# Altium PCB m-BLANC.PcbDoc (part 2 of 15) (continued)
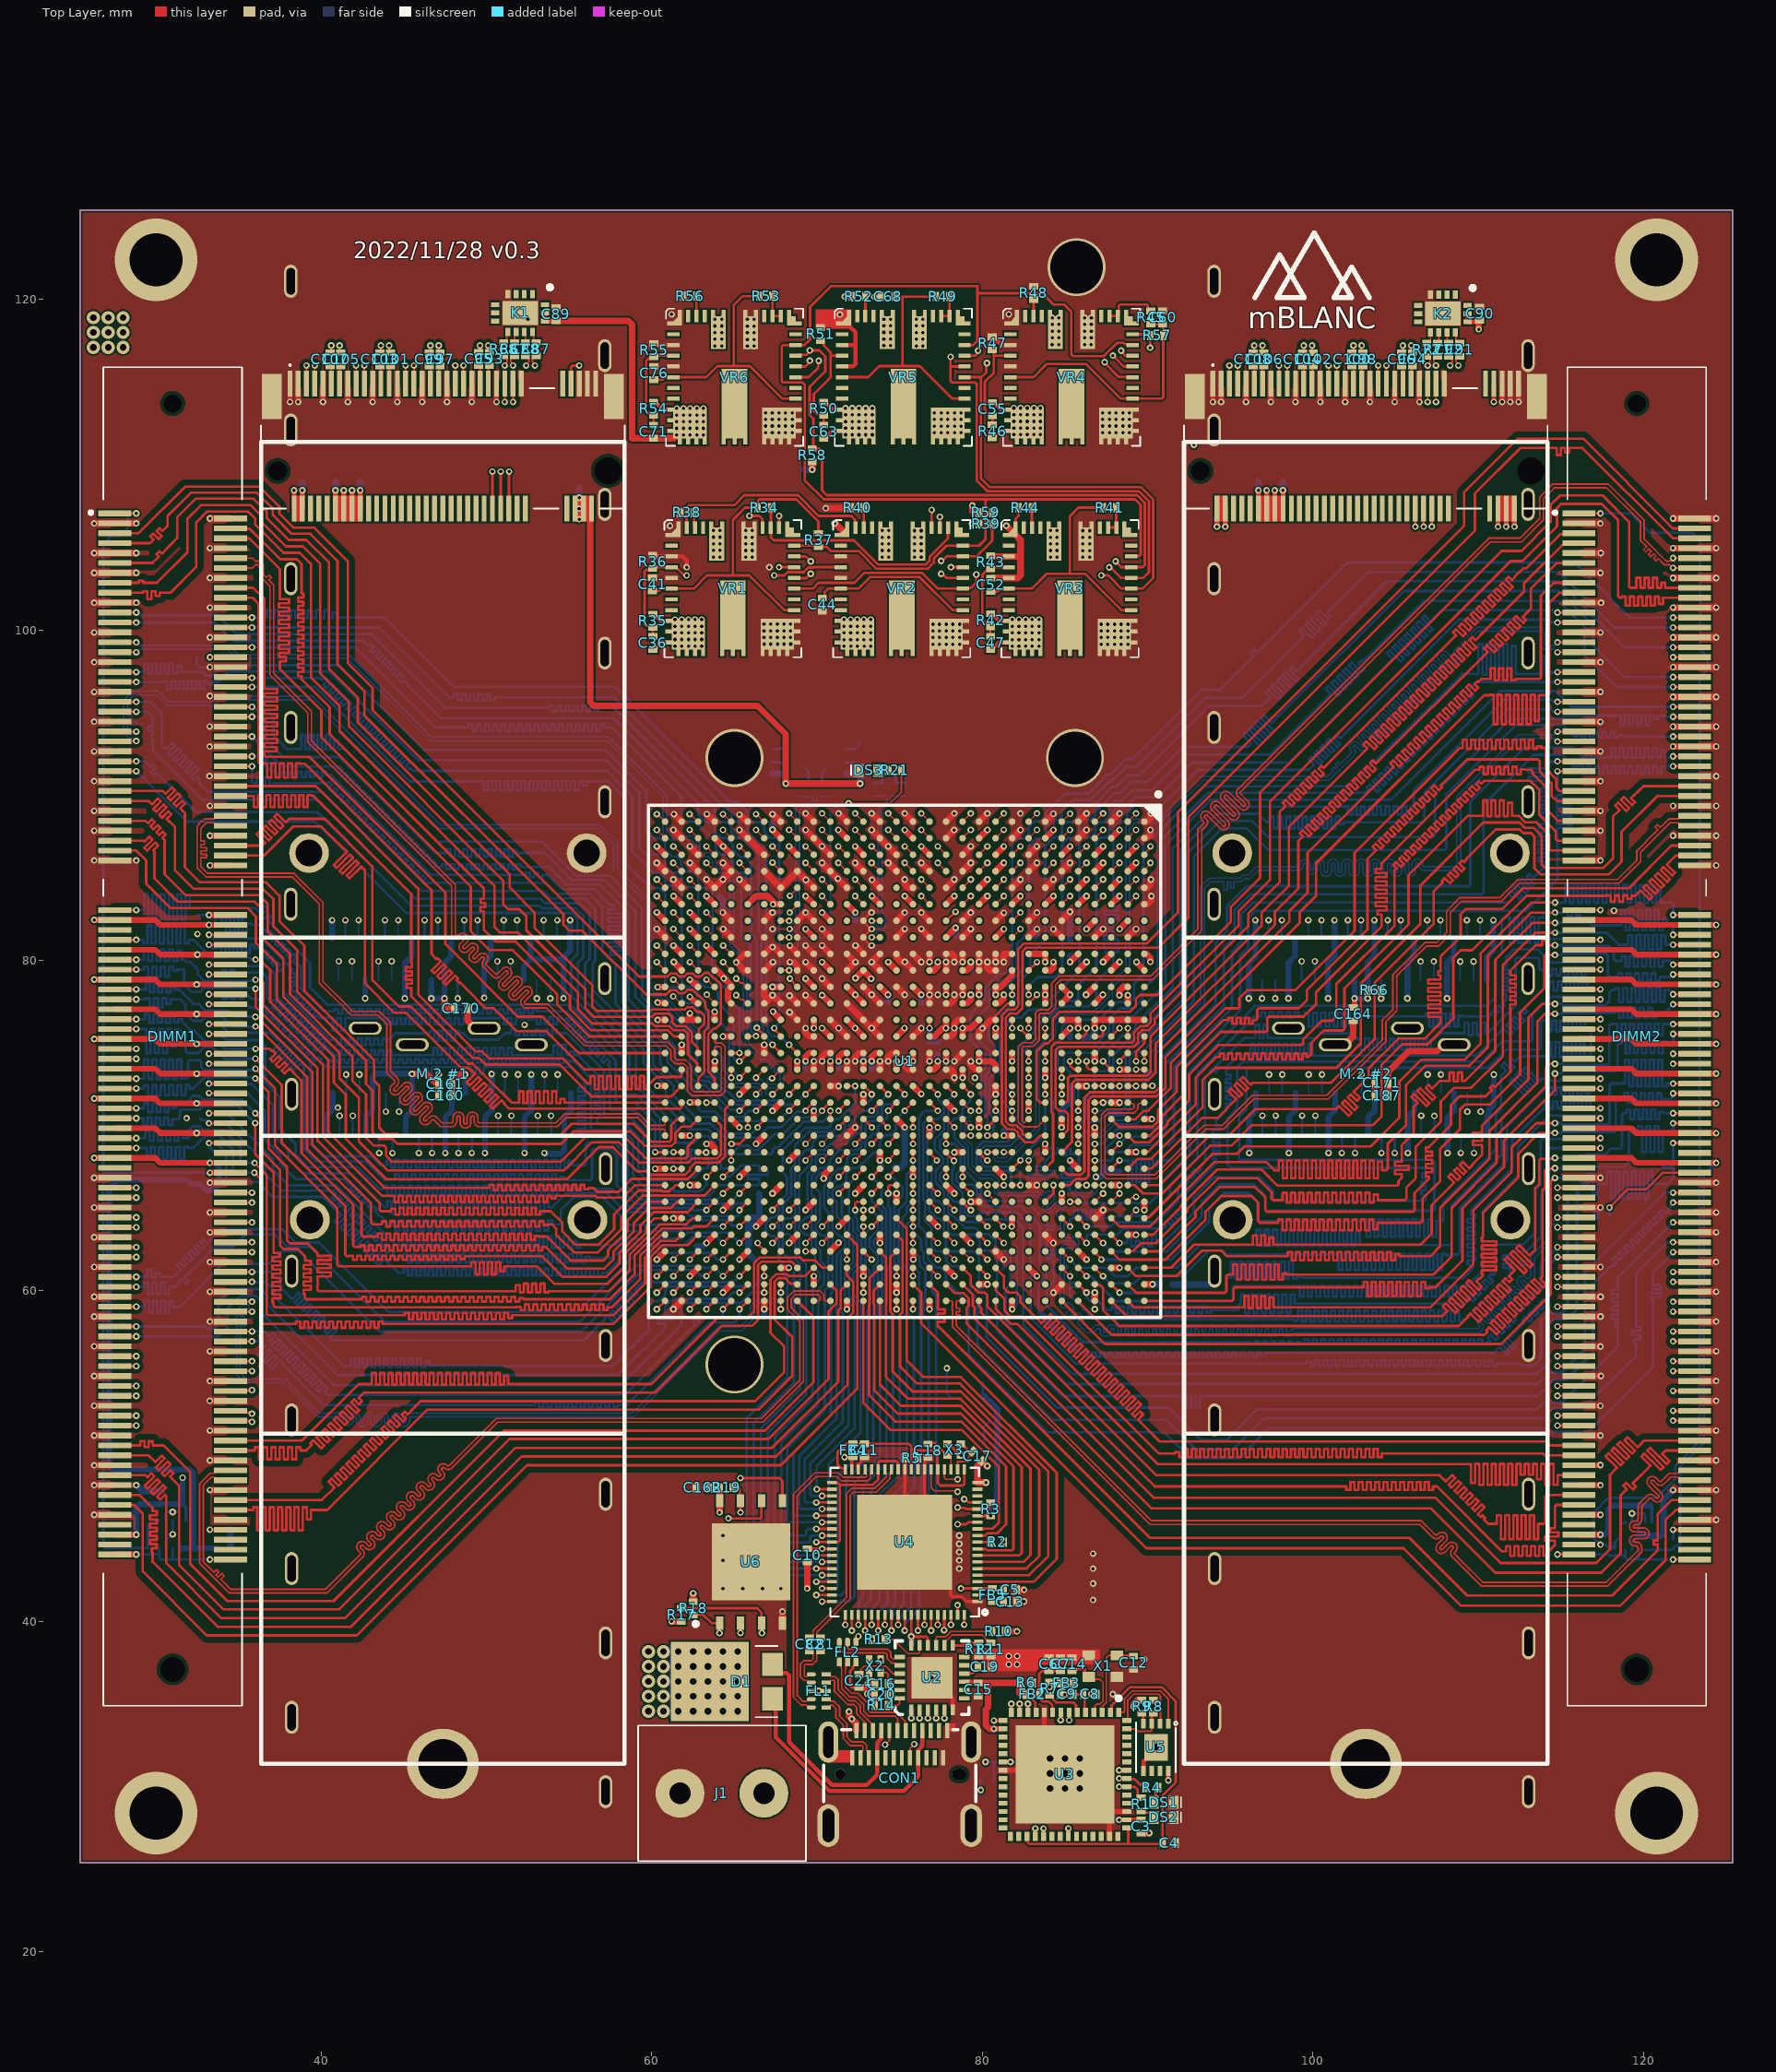
[diagram p0: Top Layer view]
## Footprints (in the part's own frame and the unit in brackets; to place one, negate y for a bottom-side part, rotate by r counter-clockwise, add the part's x,y. Pads: shape width x height; smd on the part's side, far side on the other; paste and mask are expansions set on the pad) (continued)
  rect 5.95x5.95 smd: 57(0,0)
  silkscreen extent -4.72,3.13 -4.48,3.38, body extent -4,-4 4,4, height 0.8
QFN-MJ24 [mm] "QFN, 24-Leads, Body 4x4mm, Pitch 0.5mm, Microchip Recommended"
  rect 0.65x0.265 smd: 1(-1.95,1.25) 2(-1.95,0.75) 3(-1.95,0.25) 4(-1.95,-0.25) 5(-1.95,-0.75) 6(-1.95,-1.25) 13(1.95,-1.25) 14(1.95,-0.75) 15(1.95,-0.25) 16(1.95,0.25) 17(1.95,0.75) 18(1.95,1.25)
  rect 0.265x0.65 smd: 7(-1.25,-1.95) 8(-0.75,-1.95) 9(-0.25,-1.95) 10(0.25,-1.95) 11(0.75,-1.95) 12(1.25,-1.95) 19(1.25,1.95) 20(0.75,1.95) 21(0.25,1.95) 22(-0.25,1.95) 23(-0.75,1.95) 24(-1.25,1.95)
  rect 2.5x2.5 smd paste-1.3: 25(0,0)
  silkscreen extent -2.22,-2.22 2.22,2.22, body extent -2.07,-2.07 2.07,2.07, height 0.9
SI2305TP [mm]
  rect 0.8x0.9 smd: 1(-0.95,-1) 2(0.95,-1) 3(0,1)
  silkscreen extent -1.46,-0.65 1.46,0.65
SMD0402 [mm]
  rect 0.4x0.55 smd: 1(-0.4,0) 2(0.4,0)
  body extent -0.5,-0.25 0.5,0.25, height 0.55
SON40P200X200X80-11N [mm] "BGA, 900-Balls, Body 31x31mm, Pitch 1mm"
  rrect25% 0.4x0.2 smd: 1(-0.85,0.8) 2(-0.85,0.4) 3(-0.85,0) 4(-0.85,-0.4) 5(-0.85,-0.8) 6(0.85,-0.8) 7(0.85,-0.4) 8(0.85,0) 9(0.85,0.4) 10(0.85,0.8)
  rect 0.9x1.5 smd paste-2: 11(0,0)
  silkscreen extent -1,-1.23 1,1.23, body extent -1,-1 1,1, height 0.8
SON50P135X260X55-10N-D [mm]
  rect 0.55x0.25 smd: 1(-0.45,1) 2(-0.45,0.5) 3(-0.45,0) 4(-0.45,-0.5) 5(-0.45,-1)
  oval 0.55x0.25 smd: 6(0.45,-1) 7(0.45,-0.5) 8(0.45,0) 9(0.45,0.5) 10(0.45,1)
  body extent -0.72,-1.3 0.72,1.3, height 0.55
SON50P150X170X55-6N-D [mm]
  rect 0.55x0.3 smd: 1(-0.6,0.5) 2(-0.6,0) 3(-0.6,-0.5)
  oval 0.55x0.3 smd: 4(0.6,-0.5) 5(0.6,0) 6(0.6,0.5)
  body extent -0.8,-0.85 0.8,0.85, height 0.55
SON127P800X600X80-9N-D [mm]
  rect 0.8x0.45 smd: 1(-3.7,1.905) 2(-3.7,0.635) 3(-3.7,-0.635) 4(-3.7,-1.905) 5(3.7,-1.905) 6(3.7,-0.635) 7(3.7,0.635) 8(3.7,1.905)
  rect 4.65x4.75 smd: 4(0,0)
  silkscreen extent -3.87,3.22 -3.63,3.47, body extent -4.05,-3 4.05,3, height 0.8
TB00650802BE [mm]
  round 2.95 hole 1.3: 1(0,0) 2(5.08,0)
  silkscreen extent -2.54,-4.1 7.62,4.1, body extent -2.54,-4.1 7.62,4.1, height 10.5
V10P20M386A [mm]
  rect 1.4x1.27 smd: 1(1.04,-2.765) 2(-1.04,-2.765)
  rect 4.8x4.72 smd: 3(0,1.04)
  silkscreen extent -2.15,-3.05 2.15,-1.75, body extent -2.15,-3.27 2.15,3.05, height 1.3

## Part data
C1 C2 C3 C4 C5 C6 C7 C8 C9 C10 C11 C12 C13 C14 C15 C16 C17 C18 C20 C21 C22 C23 C24 C25 C26 C27 C28 C29 C30 C31 C32 C33 C36 C41 C44 C47 C52 C55 C60 C63 C68 C71 C76 C81 C82 C83 C84 C85 C86 C87 C88 C89 C90 C91 C92 C93 C94 C95 C96 C97 C98 C99 C100 C101 C102 C103 C104 C105 C106 C107 C108 C109 C110 C111 C112 C113 C114 C115 C116 C117 C118 C119 C120 C121 C122 C123 C124 C125 C126 C127 C128 C129 C130 C131 C132 C133 C134 C135 C136 C137 C138 C139 C140 C141 C142 C143 C144 C145 C146 C147 C148 C149 C150 C151 C152 C153 C154 C156 C157 C158 C159 C160 C161 C162 C163 C164 C165 C166 C167 C168 C169 C170 C171 C172 C173 C174 C175 C176 C177 C178 C179 C180 C181 C183 C184 C185 C186 C187 C188 C189 C190 C191 C192 C193 C194 C195 C196 C197 C198 C199 C200: library part "CAP 0402", "Capacitor"
C19 C155 C182: library part "CAP 0201", "Capacitor"
C34 C35 C37 C38 C39 C40 C42 C43 C45 C46 C48 C49 C50 C51 C53 C54 C56 C57 C58 C59 C61 C62 C64 C65 C66 C67 C69 C70 C72 C73 C74 C75 C77 C78 C79 C80: library part "CAP 3225", "Capacitor", Arrow Part Number=JMK325ABJ107MM-P, Manufacturer_Name="TAIYO YUDEN", Mouser Part Number=963-JMK325ABJ107MM-P, Arrow Price/Stock=https://www.arrow.com/en/products/jmk325abj107mm-p/taiyo-yuden, Datasheet Link=https://ms.componentsearchengine.com/Datasheets/1/JMK325ABJ107MM-P.pdf, Height=2.8mm, Manufacturer_Part_Number=JMK325ABJ107MM-P, Mouser Price/Stock=https://www.mouser.co.uk/ProductDetail/Taiyo-Yuden/JMK325ABJ107MM-P?qs=EPmvyOv1YlN%2FKJt%252BEENTYA%3D%3D
CON1: library part USB-3.0-TYPE-C-3.0, "Micro USB Receptacle, Type C, Hybrid Type, PCB Top Mount"
D1: "Schottky Diode", Manufacturer_Name=Vishay, Manufacturer_Part_Number=V10P20-M3/86A, Mouser Part Number=78-V10P20-M3/86A, Datasheet Link=https://componentsearchengine.com/Datasheets/1/V10P20-M3_86A.pdf, Height=1.2mm, Mouser Price/Stock=http://www.mouser.com/Search/ProductDetail.aspx?qs=ZB8tH5z5N7ZN%2fq6ksuxZBw%3d%3d
D2: library part SK106-TP, "Diode", Manufacturer_Name="Micro Commercial Components (MCC)", Mouser Part Number=833-SK106-TP, Arrow Part Number=SK106-TP, Arrow Price/Stock=https://www.arrow.com/en/products/sk106-tp/micro-commercial-components, Datasheet Link=http://www.mccsemi.com/up_pdf/SK102-SK1010(HSMC).PDF, Height=5.43mm, Manufacturer_Part_Number=SK106-TP, Mouser Price/Stock=https://www.mouser.co.uk/ProductDetail/Micro-Commercial-Components-MCC/SK106-TP?qs=SdqRYZZ9IxAPDINIgRyYqg%3D%3D
DIMM1 DIMM2: library part DIMM-204P, "Kyocera 296409204003856+"
DS1 DS2 DS3: "LED 0603 SMD"
FB1 FB2 FB3 FB4 FB5: library part "FERRITE 0402", "Ferrite Bead"
FL1: "Filter", Manufacturer_Name=STMicroelectronics, Mouser Part Number=511-ECMF04-4HSWM10, Arrow Part Number=ECMF04-4HSWM10, Arrow Price/Stock=https://www.arrow.com/en/products/ecmf04-4hswm10/stmicroelectronics, Datasheet Link=https://www.st.com/resource/en/datasheet/ecmf04-4hswm10.pdf, Height=0.55mm, Manufacturer_Part_Number=ECMF04-4HSWM10, Mouser Price/Stock=https://www.mouser.co.uk/ProductDetail/STMicroelectronics/ECMF04-4HSWM10?qs=9MuLHSklicqPUQRNi%252Bx1Sg%3D%3D
FL2: "Integrated Circuit", Manufacturer_Name=STMicroelectronics, Mouser Part Number=511-ECMF02-2AMX6, Arrow Part Number=ECMF02-2AMX6, Arrow Price/Stock=https://www.arrow.com/en/products/ecmf02-2amx6/stmicroelectronics, Datasheet Link=http://www.st.com/content/ccc/resource/technical/document/datasheet/3a/28/cf/d0/31/63/48/8c/CD00282307.pdf/files/CD00282307.pdf/jcr:content/translations/en.CD00282307.pdf, Height=0.55mm, Manufacturer_Part_Number=ECMF02-2AMX6, Mouser Price/Stock=https://www.mouser.co.uk/ProductDetail/STMicroelectronics/ECMF02-2AMX6?qs=raAh8RbVwI65u5gmT42%2Flg%3D%3D
J1: library part TB006-508-02BE, "Connector", Manufacturer_Name="CUI Devices", Mouser Part Number=490-TB006-508-02BE, Arrow Part Number=TB006-508-02BE, Arrow Price/Stock=https://www.arrow.com/en/products/tb006-508-02be/cui-devices, Datasheet Link=https://www.mouser.com/datasheet/2/670/tb006-508-1550645.pdf, Height=10.4mm, Manufacturer_Part_Number=TB006-508-02BE, Mouser Price/Stock=https://www.mouser.co.uk/ProductDetail/CUI-Devices/TB006-508-02BE/?qs=vLWxofP3U2wEdOVV%2FaT04w%3D%3D
K1 K2: "Integrated Circuit", Manufacturer_Name=Microchip, Mouser Part Number=998-DSC557-0344FI0, Arrow Part Number=DSC557-0344FI0, Arrow Price/Stock=https://www.arrow.com/en/products/dsc557-0344fi0/microchip-technology, Datasheet Link=http://ww1.microchip.com/downloads/en/devicedoc/dsc557-03%20datasheet%20mkqbpd12091701-2.pdf, Height=0.9mm, Manufacturer_Part_Number=DSC557-0344FI0, Mouser Price/Stock=https://www.mouser.com/Search/Refine.aspx?Keyword=998-DSC557-0344FI0
"M.2 #1" "M.2 #2": "M.2 Key M Socket 3", Manufacturer_Name=Amphenol, Manufacturer_Part_Number=MDT275M02001, Datasheet Link=https://www.mouser.com/datasheet/2/18/Amphenol_CMDTXXXXXX001-4-1157232.pdf, Height=2.75mm
Q1: "MOSFET (N-Channel)", Manufacturer_Name="Micro Commercial Components (MCC)", Mouser Part Number=833-SI2324A-TP, Arrow Part Number=SI2324A-TP, Arrow Price/Stock=https://www.arrow.com/en/products/si2324a-tp/micro-commercial-components, Datasheet Link=https://www.mccsemi.com/pdf/Products/SI2324A(SOT-23)-A.pdf, Manufacturer_Part_Number=SI2324A-TP, Mouser Price/Stock=https://www.mouser.com/Search/Refine.aspx?Keyword=833-SI2324A-TP
"QSFP+ #1" "QSFP+ #2" "QSFP+ #3" "QSFP+ #4": "Connector", Manufacturer_Name="TE Connectivity", Mouser Part Number=571-1888617-1, Arrow Part Number=1888617-1, Arrow Price/Stock=https://www.arrow.com/en/products/1888617-1/te-connectivity, Datasheet Link=https://www.mouser.com/datasheet/2/418/NG_CS_1773408-1_Pluggable_IXO_Solutions_-_QSFP_061-1244175.pdf, Height=9.7mm, Manufacturer_Part_Number=1888617-1, Mouser Price/Stock=https://www.mouser.com/Search/Refine.aspx?Keyword=571-1888617-1
R1 R2 R3 R4 R5 R6 R7 R8 R9 R10 R11 R12 R13 R14 R15 R16 R17 R18 R19 R20 R21 R22 R23 R24 R25 R26 R27 R28 R29 R30 R31 R32 R33 R35 R36 R37 R38 R39 R40 R41 R42 R43 R44 R45 R46 R47 R48 R49 R50 R51 R52 R53 R54 R55 R56 R57 R58 R59 R60 R61 R62 R63 R64 R65 R66 R67 R68 R69 R70 R71 R72 R73 R74 R75 R76 R77: library part "RES 0402", "Resistor"
R34: library part "RES 0201", "Resistor", Height=0.28mm
U1: "Kintex-7 FPGA, 400 User I/Os, 28 GTX, 900-Ball BGA, Speed Grade 1, Commercial Grade, Pb-Free", Generic Part Number=XC7K420T, Manufacturer=Xilinx, Code_JEDEC=MS-034-AAN-1, ComponentLink1Description=Datasheet, ComponentLink1URL=http://www.xilinx.com/support/documentation/data_sheets/ds180_7Series_Overview.pdf, ComponentLink2Description="Package Specification", ComponentLink2URL=http://www.xilinx.com/support/documentation/user_guides/ug475_7Series_Pkg_Pinout.pdf, DatasheetVersion=v1.12, GTX=28, Mounting Technology="Surface Mount", PackageDescription="Flip-Chip BGA, Body 31 x 31 mm, 1.0 mm Pitch", PackageReference=FFG901, PackageVersion="Rev 1.8", PartNumber=XC7K420T-1FFG901C, RoHS=Pb-Free, SelectIO HP=0, SelectIO HR=380, Speed Grade=-1
U2: "Microchip Technology USB2422/MJ, USB Controller, USB 2.0, 3.3 V, 24-Pin SQFN", Operating Temperature="0.00 °C (min)", Packaging=Tray
U3: "Integrated Circuit"
U4: "USB Bridge, USB to FIFO USB 3.0 FIFO Interface 76-QFN _9x9_", Package="QFN-76 FTDI", Availability=Unavailable, MF="FTDI, Future", MP=FT601Q-B-T, Price=None, SnapEDA_Link=https://www.snapeda.com/parts/FT601Q-B-T/FTDI%2C%20Future%20Technology%20Devices%20International%20Ltd/view-part/774389/?ref=snap
U5: library part 93LC46BT-I_MC
U6: "512Mbit 3.3V Uniform Sector Dual and Quad Serial Flash"
VR1 VR2 VR3 VR4 VR5 VR6: "16V, 10A, Scalable, Ultra-Thin DC/DC Power Module with PMBus"
X1: library part CRYSTAL2520, "Crystal 2.5mm x 2.0mm"
X2 X3: library part CRYSTAL1210, "Crystal 1.2mm x 1.0mm"
Y1: library part ASEM1-100.000MHZ-L-C-T, "Crystal or Oscillator", Manufacturer_Name=ABRACON, Mouser Part Number=815-ASEM1-100.0-LCT, Datasheet Link=https://eu.mouser.com/datasheet/2/3/ASEM-44258.pdf, Height=0.9mm, Manufacturer_Part_Number=ASEM1-100.000MHZ-L-C-T, Mouser Price/Stock=https://www.mouser.co.uk/ProductDetail/ABRACON/ASEM1-100000MHZ-L-C-T?qs=DmEoDMSjLQrIUu25gcXRZw%3D%3D
Y2 Y3: library part AX3DAF1-100.0000, "Crystal or Oscillator", Manufacturer_Name=ABRACON, Mouser Part Number=815-AX3DAF1-100.0000, Arrow Part Number=AX3DAF1-100.0000, Arrow Price/Stock=https://www.arrow.com/en/products/ax3daf1-100.0000/abracon, Datasheet Link=https://abracon.com/datasheets/AX3.pdf, Height=1.1mm, Manufacturer_Part_Number=AX3DAF1-100.0000, Mouser Price/Stock=https://www.mouser.com/Search/Refine.aspx?Keyword=815-AX3DAF1-100.0000

## Via types
v1: diameter 0.4, hole 0.2, Top Layer to Bottom Layer, tented both sides, 1808 vias
v2: diameter 0.8, hole 0.4, Top Layer to Bottom Layer, tented both sides, 54 vias
v3: diameter 5, hole 3.2, Top Layer to Bottom Layer, 4 vias
v4: diameter 3.5, hole 3.2, Top Layer to Bottom Layer, 4 vias

## Nets (pads, with @x,y where several pads share a name; then routed paths per layer and width w, separated by ;. In a path a pad name is that pad's centre, name@x,y a point inside that pad or via, vN(x,y) a via of type N, cw(c..) or ccw(c..) an arc to the next point about the centre after c; other vN are vias at no path point)
1.0V: C36.1 C37.1 C38.1 C39.1 C40.1 C77.1 C78.1 C79.1 C80.1 C109.2 C110.2 C111.2 C112.2 C113.2 C114.2 C115.2 C116.2 C117.2 C118.2 C119.2 C120.2 C121.2 C122.2 C123.2 C124.2 C125.2 C126.2 C127.2 C128.2 R35.2 U1.AA6 U1.AA11 U1.AA13 U1.AA15 U1.AC6 U1.AE6 U1.AG6 U1.AH7 U1.AH11 U1.AK11 U1.B11 U1.D7 U1.D11 U1.E6 U1.G6 U1.J6 U1.K12 U1.K14 U1.K16 U1.L6 U1.L11 U1.L13 U1.L15 U1.M10 U1.M12 U1.M14 U1.N6 U1.N11 U1.N13 U1.N15 U1.P10 U1.P14 U1.R6 U1.R11 U1.R15 U1.T10 U1.T14 U1.U6 U1.U11 U1.U15 U1.V10 U1.V12 U1.V14 U1.W6 U1.W11 U1.W13 U1.W15 U1.Y10 U1.Y12 U1.Y14 VR1.9 VR1.10 VR1.11 VR1.12 VR1.13 VR1.14 VR1.15 VR2.9 VR2.10 VR2.11 VR2.12 VR2.13 VR2.14 VR2.15 | length 65
  Top Layer w0.15: C36.1@60.052,98.813 C36.1@60.127,98.813 ; R35.2@60.052,100.955 R35.2@60.127,100.955
  Top Layer w0.25: C36.1@60.127,98.813 60.564,99.25 VR1.11@61.2,99.25 ; R35.2@60.127,100.955 60.532,100.55 VR1.9@61.2,100.55
  Top Layer w0.4: v1(60.341,78.386) 60.348,78.393 60.793,78.393 U1.AK11@60.8,78.4 ; VR1.9@61.413,100.537 VR1.9@62.212,99.738 ; v1(62.3,78.839) 62.52,78.62 62.58,78.62 U1.AH11@62.8,78.4 ; v1(62.3,82.9) U1.AH7@62.8,82.4 ; v1(63.3,83.9) U1.AG6@63.8,83.4 ; U1.AE6@65.8,83.4 66.3,83.9 67.007,83.9 67.334,83.574 v1(67.334,83.4) ; v1@67.4,83.4 U1.AC6@67.8,83.4 ; v1(69.3,73.903) 69.3,74.166 69.534,74.4 U1.AA15@69.8,74.4 ; v1(69.3,78.9) U1.AA11@69.8,78.4 ; v1(69.3,83.9) U1.AA6@69.8,83.4 ; v1(69.801,75.9) 69.801,76.15 69.8,76.15 U1.AA13@69.8,76.4 ; v1(70.3,75.9) U1.Y14@70.8,75.4 ; v1(70.3,77.9) U1.Y12@70.8,77.4 ; v1(70.3,79.9) U1.Y10@70.8,79.4 ; v1(71.3,73.903) 71.3,74.166 71.534,74.4 U1.W15@71.8,74.4 ; U1.W13@71.8,76.4 71.802,76.4 72.299,75.903 v1(72.301,75.903) 72.301,75.901 72.8,75.402 U1.V14@72.8,75.4 ; U1.W11@71.8,78.4 71.818,78.4 72.296,77.922 v1(72.314,77.922) 72.314,77.904 72.8,77.418 U1.V12@72.8,77.4 ; U1.W6@71.8,83.4 71.807,83.4 72.307,82.9 v1(72.314,82.9) ; v1(72.325,78.929) 72.327,78.929 U1.V10@72.8,79.4 U1.V10@72.8,79.4 72.8,79.382 73.272,78.91 v1(73.272,78.892) ; v1(73.3,73.9) 73.3,74.166 73.534,74.4 U1.U15@73.8,74.4 ; v1(73.316,83.9) 73.316,83.892 73.8,83.408 U1.U6@73.8,83.4 ; U1.U11@73.8,78.4 73.806,78.4 74.284,77.922 v1(74.29,77.922) ; v1(74.3,79.9) U1.T10@74.8,79.4 ; U1.T14@74.8,75.4 74.8,75.401 75.285,75.887 v1@75.285,75.888 ; v1(75.3,83.9) U1.R6@75.8,83.4 ; v1(75.8,73.9) U1.R15@75.8,74.4 ; U1.R11@75.8,78.4 75.811,78.4 76.289,77.922 v1(76.3,77.922) ; U1.P14@76.8,75.4 77.093,75.4 77.593,75.9 v1(77.796,75.9) ; U1.P10@76.8,79.4 77.066,79.4 77.3,79.634 v1(77.3,79.907) ; v1@77.796,75.904 77.798,75.905 77.798,76.398 U1.N13@77.8,76.4 ; v1(77.8,73.9) U1.N15@77.8,74.4 ; v1(77.8,77.922) U1.N11@77.8,78.4 ; U1.N6@77.8,83.4 v1(78.3,83.9) ; U1.M14@78.8,75.4 v1(78.8,75.9) 79.3,75.9 U1.L13@79.8,76.4 ; U1.M12@78.8,77.4 79.066,77.4 79.3,77.634 v1(79.3,77.922) ; U1.M10@78.8,79.4 79.066,79.4 79.3,79.634 v1(79.3,79.907) ; U1.L15@79.8,74.4 v1(79.8,73.9) 80.562,73.9 80.8,73.662 U1.K16@80.8,73.4 ; v1(79.8,77.922) U1.L11@79.8,78.4 ; U1.L6@79.8,83.4 v1(80.3,83.9) ; U1.K14@80.8,75.4 v1(80.8,75.9) ; U1.K12@80.8,77.4 80.985,77.4 81.3,77.715 v1(81.3,77.922) ; U1.J6@81.8,83.4 v1(82.3,83.9) ; U1.G6@83.8,83.4 v1(84.3,83.9) ; U1.E6@85.8,83.4 v1(86.3,83.9) ; v1(86.275,77.922) 86.299,77.922 86.776,78.4 U1.D11@86.8,78.4 ; v1(86.3,81.9) U1.D7@86.8,82.4 ; v1(88.291,77.9) 88.291,78.166 88.526,78.4 U1.B11@88.8,78.4
  InLayer3 (PWR) w0.4: v1(62.3,82.9) 62.3,83.3 ; v1(69.3,73.903) 69.3,74.5 ; 69.8,75.5 69.801,75.501 v1(69.801,75.9) ; 70.3,75.5 v1(70.3,75.9) ; v1(70.3,77.9) 70.3,78.4 ; 70.3,79.4 v1(70.3,79.9) ; v1(71.3,73.903) 71.3,74.5 ; 72.3,75.3 72.301,75.301 v1(72.301,75.903) ; 72.3,83.4 72.3,82.9 v1(72.314,82.9) ; v1(72.314,77.922) 72.314,78.486 ; v1(73.3,73.9) 73.3,74.7 ; v1(74.29,77.922) 74.29,78.7 ; 74.3,79.2 v1(74.3,79.9) ; 75.2,75.2 75.285,75.285 v1@75.285,75.888 ; v1(75.8,73.9) 75.8,74.5 ; v1(76.3,77.922) 76.3,78.8 ; 77.3,79 v1(77.3,79.907) ; v1@77.796,75.904 v1(77.796,75.9) 77.796,75.4 77.8,75.4 ; v1(77.8,73.9) 77.8,74.5 ; v1(77.8,77.922) 77.8,78.7 ; 78.8,75.5 v1(78.8,75.9) ; v1(79.3,77.922) 79.3,78.7 ; 79.3,79.4 v1(79.3,79.907) ; v1(79.8,73.9) 79.8,74.596 ; v1(79.8,77.922) 79.8,78.908 ; 80.8,75.3 v1(80.8,75.9) ; v1(81.3,77.922) 81.3,78.4 ; v1(86.275,77.922) 86.275,78.675 ; v1(86.3,81.9) 86.3,83.072 ; v1(88.291,77.9) 88.291,78.391
  Bottom Layer w0.15: C125.2@71.295,73.489 C125.2@71.3,73.495 ; C112.2@72.314,82.433 C112.2@72.317,82.43 ; C115.2@73.3,73.491 C115.2@73.302,73.489 ; C127.2@74.288,77.455 C127.2@74.29,77.457 ; C126.2@75.792,73.489 C126.2@75.8,73.498 ; C118.2@77.798,73.425 C118.2@77.8,73.427 ; C118.2@77.8,73.506 C118.2@77.816,73.49 ; C122.2@79.296,79.487 C122.2@79.3,79.491 ; v1(86.275,77.922) 86.275,77.959 C116.2@86.509,78.193
  Bottom Layer w0.4: C114.2@69.3,73.489 v1(69.3,73.903) ; C125.2@71.3,73.495 v1(71.3,73.903) ; C112.2@72.314,82.433 v1(72.314,82.9) ; C115.2@73.3,73.491 v1(73.3,73.9) ; C127.2@74.29,77.457 v1(74.29,77.922) ; C126.2@75.8,73.498 v1(75.8,73.9) ; C128.2@76.3,77.455 v1(76.3,77.922) ; C118.2@77.8,73.506 v1(77.8,73.9) ; C122.2@79.3,79.491 v1(79.3,79.907)
  other v1: 75.285,75.9 61.4,99.022 61.808,99.022 62.212,99.022 62.613,99.022 63.017,99.022 71.63,99.016 72.036,99.016 72.44,99.016 72.841,99.016 73.245,99.016 61.4,99.423 61.808,99.423 62.212,99.423 62.613,99.423 63.017,99.423 71.623,99.418 72.029,99.418 72.433,99.418 72.834,99.418 73.238,99.418 61.4,99.826 61.8,99.827 62.212,99.826 62.613,99.826 63.017,99.826 71.623,99.82 72.029,99.82 72.433,99.82 72.834,99.82 73.238,99.82 61.4,100.227 61.8,100.227 62.212,100.229 62.613,100.229 63.017,100.229 71.623,100.223 72.029,100.223 72.433,100.223 72.834,100.223 73.238,100.223 61.4,100.627 61.808,100.631 62.212,100.631 62.613,100.631 63.017,100.631 71.623,100.625 72.029,100.625 72.433,100.625 72.834,100.625 73.238,100.625
1.2V: C47.1 C48.1 C49.1 C50.1 C51.1 C129.2 C130.2 C131.2 C132.2 C133.2 C134.2 C135.2 C136.2 C137.2 C138.2 R42.2 R65.2 U1.AB3 U1.AC2 U1.AF3 U1.AG2 U1.AG9 U1.AJ6 U1.AJ9 U1.AK3 U1.AK7 U1.B3 U1.B7 U1.C2 U1.C6 U1.C9 U1.E9 U1.F3 U1.G2 U1.K3 U1.L2 U1.N8 U1.P3 U1.R2 U1.V3 U1.W2 VR3.9 VR3.10 VR3.11 VR3.12 VR3.13 VR3.14 VR3.15 | length 29.6
  Top Layer w0.15: v1@61.316,83.892 v1(61.316,83.9) ; U1.AJ6@61.8,83.4 U1.AJ6@61.8,83.408 ; U1.AG2@63.8,87.4 U1.AG2@63.809,87.4 ; v1@64.309,86.9 v1(64.318,86.9) v1@64.318,86.891 ; U1.AF3@64.8,86.4 U1.AF3@64.8,86.409 ; v1@67.3,87.905 v1(67.3,87.91) ; U1.AC2@67.8,87.4 U1.AC2@67.8,87.405 ; v1(71.28,87.9) v1@71.29,87.9 ; U1.W2@71.79,87.4 U1.W2@71.8,87.4 ; U1.N8@77.8,81.4 U1.N8@77.808,81.4 ; v1@78.375,81.967 v1(78.383,81.967) ; R42.2@80.47,100.992 80.595,100.867 R42.2@80.708,100.867 ; C47.1@80.473,98.813 C47.1@80.5,98.813 80.575,98.813 80.7,98.938 C47.1@80.7,98.943 ; VR3.10@81.585,99.885 VR3.10@81.6,99.9 ; v1(85.3,79.907) v1@85.303,79.907 ; U1.E9@85.797,80.4 U1.E9@85.8,80.4 ; v1(87.3,79.907) v1@87.303,79.907 ; U1.C9@87.797,80.4 U1.C9@87.8,80.4
  Top Layer w0.25: R42.2@80.498,100.992 80.573,100.917 80.658,100.917 81.025,100.55 VR3.9@81.6,100.55 ; C47.1@80.7,98.943 81.007,99.25 VR3.11@81.6,99.25
  Top Layer w0.4: v1(60.293,82.908) U1.AK7@60.8,82.4 ; v1(60.3,86.9) U1.AK3@60.8,86.4 ; v1(61.3,80.9) U1.AJ9@61.8,80.4 ; v1@61.316,83.892 U1.AJ6@61.8,83.408 ; v1(63.3,80.9) U1.AG9@63.8,80.4 ; U1.AG2@63.809,87.4 v1@64.309,86.9 ; v1@64.318,86.891 U1.AF3@64.8,86.409 ; v1@67.3,87.905 U1.AC2@67.8,87.405 ; v1(68.3,86.9) U1.AB3@68.8,86.4 ; v1@71.29,87.9 U1.W2@71.79,87.4 ; v1(72.3,86.9) U1.V3@72.8,86.4 ; v1(75.3,87.9) U1.R2@75.8,87.4 ; v1(76.3,86.9) U1.P3@76.8,86.4 ; U1.N8@77.808,81.4 v1@78.375,81.967 ; U1.L2@79.8,87.4 v1(80.3,87.9) ; U1.K3@80.8,86.4 v1(81.3,86.9) ; U1.G2@83.8,87.4 v1(84.3,87.9) ; U1.F3@84.8,86.4 v1(85.3,86.9) ; v1@85.303,79.907 U1.E9@85.797,80.4 ; v1@87.303,79.907 U1.C9@87.797,80.4 ; U1.C6@87.8,83.4 v1(88.3,83.9) ; U1.C2@87.8,87.4 v1(88.3,87.9) ; v1(88.3,81.9) U1.B7@88.8,82.4 ; U1.B3@88.8,86.4 v1(89.3,86.9)
  InLayer3 (PWR) w0.35: v1(78.383,81.967) 78.824,82.409 85.18,82.409
  InLayer3 (PWR) w0.4: 88.411,86.4 89.066,86.4 89.3,86.634 v1(89.3,86.9)
  Bottom Layer w0.15: C135.2@78.366,81.51 C135.2@78.383,81.527 ; C129.2@85.3,80.283 C129.2@85.353,80.336
  Bottom Layer w0.4: v1(67.3,87.91) C136.2@67.3,88.313 ; C135.2@78.383,81.527 v1(78.383,81.967) ; v1(85.3,79.907) C129.2@85.3,80.283
  other v1: 81.807,99.015 82.213,99.015 82.617,99.015 83.018,99.015 83.422,99.015 81.807,99.417 82.213,99.417 82.617,99.417 83.018,99.417 83.422,99.417 81.807,99.82 82.213,99.82 82.617,99.82 83.018,99.82 83.422,99.82 81.807,100.223 82.213,100.223 82.617,100.223 83.018,100.223 83.422,100.223 81.807,100.625 82.213,100.625 82.617,100.625 83.018,100.625 83.422,100.625
1.8V: C63.1 C64.1 C65.1 C66.1 C67.1 C149.2 C150.2 C151.2 C152.2 C153.2 C179.2 C180.2 FB1.2 R50.2 U1.AA8 U1.K8 U1.M16 U1.P16 U1.T16 U1.V16 U1.Y7 U1.Y16 VR5.9 VR5.10 VR5.11 VR5.12 VR5.13 VR5.14 VR5.15 | length 11.2
  Top Layer w0.15: R50.2@70.394,113.8 70.519,113.675 R50.2@70.598,113.675 ; VR5.9@71.763,113.3 VR5.9@72.532,112.531 ; U1.M16@78.8,73.4 U1.M16@78.805,73.4
  Top Layer w0.25: C63.1@70.534,111.65 70.927,112.043 VR5.11@71.52,112.043 ; R50.2@70.598,113.675 70.931,113.343 VR5.9@71.52,113.343
  Top Layer w0.3: C63.1@70.394,111.6 70.444,111.65 C63.1@70.534,111.65
  Top Layer w0.4: v1(69.3,81.9) U1.AA8@69.8,81.4 ; v1(70.3,82.9) U1.Y7@70.8,82.4 ; U1.Y16@70.8,73.4 v1(70.8,73.9) ; U1.V16@72.8,73.4 v1(72.8,73.9) ; U1.T16@74.8,73.4 v1(74.8,73.9) ; U1.P16@76.8,73.4 77.066,73.4 77.3,73.634 v1(77.3,73.9) ; v1(78.8,72.9) 78.8,73.395 U1.M16@78.805,73.4 ; U1.K8@80.8,81.4 v1(81.3,81.9)
  Bottom Layer w0.15: C179.2@74.798,73.489 C179.2@74.8,73.491 ; FB1.2@77.296,74.31 FB1.2@77.3,74.305 ; C180.2@78.793,73.488 C180.2@78.8,73.481
  Bottom Layer w0.4: C152.2@70.797,74.446 70.797,74.254 70.8,74.25 v1(70.8,73.9) ; C153.2@72.795,74.446 72.795,74.112 72.8,74.107 v1(72.8,73.9) ; C179.2@74.8,73.491 v1(74.8,73.9) ; v1(77.3,73.9) FB1.2@77.3,74.305 ; v1(78.8,72.9) C180.2@78.8,73.481
  other v1: 71.722,111.809 72.128,111.809 72.532,111.809 72.933,111.809 73.337,111.809 71.722,112.212 72.128,112.212 72.532,112.212 72.933,112.212 73.337,112.212 71.722,112.614 72.128,112.614 72.532,112.614 72.933,112.614 73.337,112.614 72.128,113.017 72.532,113.017 71.722,113.017 72.933,113.017 73.337,113.017 72.128,113.42 72.532,113.42 72.933,113.42 73.337,113.42 71.713,113.425
1.35V: C30.1 C32.1 C55.1 C56.1 C57.1 C58.1 C59.1 C139.2 C140.2 C141.2 C142.2 C143.2 C144.2 C145.2 C146.2 C147.2 C148.2 C191.2 C192.2 C193.2 C194.2 C195.2 C196.2 C197.2 C198.2 C199.2 C200.2 DIMM1.75 DIMM1.76 DIMM1.81 DIMM1.82 DIMM1.87 DIMM1.88 DIMM1.93 DIMM1.94 DIMM1.99 DIMM1.100 DIMM1.105 DIMM1.106 DIMM1.111 DIMM1.112 DIMM1.117 DIMM1.118 DIMM1.123 DIMM1.124 DIMM2.75 DIMM2.76 DIMM2.81 DIMM2.82 DIMM2.87 DIMM2.88 DIMM2.93 DIMM2.94 DIMM2.99 DIMM2.100 DIMM2.105 DIMM2.106 DIMM2.111 DIMM2.112 DIMM2.117 DIMM2.118 DIMM2.123 DIMM2.124 R46.2 U1.A19 U1.A29 U1.AA19 U1.AA29 U1.AB16 U1.AB26 U1.AC23 U1.AD20 U1.AD30 U1.AE17 U1.AE27 U1.AF14 U1.AF24 U1.AG21 U1.AH18 U1.AH28 U1.AJ15 U1.AJ25 U1.AK22 U1.B26 U1.C23 U1.D20 U1.D30 U1.E27 U1.F24 U1.G21 U1.H18 U1.H28 U1.J25 U1.K22 U1.L19 U1.L29 U1.M26 U1.N23 U1.P20 U1.P30 U1.W25 U1.Y22 U7.1 U7.2 U8.1 U8.2 VR4.9 VR4.10 VR4.11 VR4.12 VR4.13 VR4.14 VR4.15 | length 281.5
  Top Layer w0.15: C55.1@80.609,113.763 C55.1@80.684,113.763 ; VR4.9@81.914,111.807 82.637,112.531 VR4.9@82.712,112.531
  Top Layer w0.25: R46.2@80.602,111.623 80.677,111.623 81.097,112.043 VR4.11@81.677,112.043 ; C55.1@80.684,113.763 81.104,113.343 VR4.9@81.7,113.343
  Top Layer w0.35: v1(26.25,68.05) DIMM1.123@27.5,68.05 29.95,68.05 30.25,67.75 DIMM1.124@34.5,67.75 ; v1(26.25,71.65) DIMM1.111@27.5,71.65 29.95,71.65 30.25,71.35 DIMM1.112@34.5,71.35 ; v1(26.25,75.25) DIMM1.99@27.5,75.25 29.95,75.25 30.25,74.95 DIMM1.100@34.5,74.95 ; v1(26.25,78.85) DIMM1.87@27.5,78.85 29.95,78.85 30.25,78.55 DIMM1.88@34.5,78.55 ; v1(26.25,82.45) DIMM1.75@27.5,82.45 29.95,82.45 30.25,82.15 v1(33.2,82.15) DIMM1.76@34.5,82.15 ; DIMM1.117@27.5,69.85 29.95,69.85 30.25,69.55 DIMM1.118@34.5,69.55 ; DIMM1.105@27.5,73.45 29.95,73.45 30.25,73.15 DIMM1.106@34.5,73.15 ; DIMM1.93@27.5,77.05 29.95,77.05 30.25,76.75 31.974,76.75 31.975,76.751 31.976,76.75 DIMM1.94@34.5,76.75 ; DIMM1.81@27.5,80.65 29.95,80.65 30.25,80.35 DIMM1.82@34.5,80.35 ; v1(33.25,67.75) DIMM1.124@34.5,67.75 ; DIMM1.124@34.55,67.75 DIMM1.124@34.5,67.75 ; DIMM2.123@116.1,68.05 119.269,68.05 119.569,67.75 DIMM2.124@123.1,67.75 v1(124.4,67.75) ; DIMM2.117@116.1,69.85 119.269,69.85 119.569,69.55 DIMM2.118@123.1,69.55 v1(124.4,69.55) ; DIMM2.111@116.1,71.65 119.269,71.65 119.569,71.35 DIMM2.112@123.1,71.35 v1(124.4,71.35) ; DIMM2.105@116.1,73.45 119.269,73.45 119.569,73.15 DIMM2.106@123.1,73.15 v1(124.4,73.15) ; DIMM2.99@116.1,75.25 119.269,75.25 119.569,74.95 DIMM2.100@123.1,74.95 v1(124.4,74.95) ; DIMM2.93@116.1,77.05 119.269,77.05 119.569,76.75 DIMM2.94@123.1,76.75 v1(124.4,76.75) ; DIMM2.87@116.1,78.85 119.269,78.85 119.569,78.55 DIMM2.88@123.1,78.55 v1(124.4,78.55) ; DIMM2.81@116.1,80.65 119.269,80.65 119.569,80.35 DIMM2.82@123.1,80.35 v1(124.4,80.35) ; DIMM2.75@116.1,82.45 119.269,82.45 119.569,82.15 DIMM2.76@123.1,82.15 v1(124.4,82.15)
  Top Layer w0.4: v1@60.3,67.4 U1.AK22@60.8,67.4 ; v1(61.3,64.4) U1.AJ25@61.8,64.4 ; U1.AJ15@61.8,74.4 v1(61.8,74.9) ; v1(62.3,60.9) U1.AH28@62.8,61.4 ; v1(62.3,71.414) 62.307,71.407 62.793,71.407 U1.AH18@62.8,71.4 ; v1(63.3,68.9) 63.566,68.9 63.8,68.666 U1.AG21@63.8,68.4 ; v1(64.3,64.9) U1.AF24@64.8,65.4 ; v1(64.3,75.4) U1.AF14@64.8,75.4 ; v1(65.3,61.9) U1.AE27@65.8,62.4 ; v1(65.3,71.9) U1.AE17@65.8,72.4 ; v1(66.3,68.9) U1.AD20@66.8,69.4 ; v1(66.8,58.9) U1.AD30@66.8,59.4 ; v1(67.3,65.9) U1.AC23@67.8,66.4 ; v1(68.3,62.9) U1.AB26@68.8,63.4 ; U1.AB16@68.8,73.4 v1(68.8,73.9) ; U1.AA29@69.8,60.4 v1(69.8,60.9) ; U1.AA19@69.8,70.4 v1(69.8,70.9) ; v1(70.395,66.804) 70.443,66.852 70.443,67.043 U1.Y22@70.8,67.4 ; v1(71.3,63.9) U1.W25@71.8,64.4 ; v1(76.8,58.9) U1.P30@76.8,59.4 ; U1.P20@76.8,69.332 U1.P20@76.8,69.4 v1(76.8,69.9) ; U1.N23@77.8,66.4 v1(78.3,65.9) ; U1.M26@78.8,63.4 v1(79.3,62.9) ; U1.L29@79.8,60.4 v1(80.3,60.4) ; v1@79.8,69.908 U1.L19@79.8,70.4 ; U1.K22@80.8,67.4 v1@81.3,66.9 ; v1(81.77,63.9) 81.785,63.915 81.785,64.385 U1.J25@81.8,64.4 ; U1.H28@82.8,61.4 v1(83.3,60.9) ; v1(82.8,70.9) 82.804,70.904 82.804,71.396 U1.H18@82.8,71.4 ; U1.G21@83.8,68.4 v1(83.8,68.9) ; U1.F24@84.8,65.4 v1(84.8,65.9) ; U1.E27@85.8,62.4 v1(86.3,61.9) ; U1.D30@86.8,59.4 v1(86.8,59.9) ; U1.D20@86.8,69.4 v1(86.8,69.888) ; U1.C23@87.8,66.4 v1(88.3,66.4) ; U1.B26@88.8,63.4 v1(89.3,63.4) ; U1.A29@89.8,60.4 v1(90.3,60.4) ; U1.A19@89.8,70.4 v1@90.25,70.4
  InLayer3 (PWR) w0.15: 33.049,78.549 33.1,78.6 ; 33.051,74.949 33.1,74.9 ; 33.054,69.554 33.1,69.6 ; 33.149,80.349 33.2,80.4 ; 33.157,73.143 33.2,73.1 ; 33.251,76.751 33.3,76.8 ; 33.353,71.347 33.4,71.3 ; 64.3,74.1 64.4,74 ; 69.5,66.8 69.504,66.804 ; 87.4,59.9 87.5,60
  InLayer3 (PWR) w0.4: v1(32.45,69.554) 33.054,69.554 ; v1(32.45,71.347) 33.353,71.347 ; v1(32.45,73.143) 33.157,73.143 ; v1(32.45,74.949) 33.051,74.949 ; v1(32.45,76.751) 33.251,76.751 ; v1(32.45,78.549) 33.049,78.549 ; v1(32.502,80.349) 33.149,80.349 ; v1(60.2,67.4) 60.756,67.956 60.756,68.614 ; v1(61.3,64.4) 61.566,64.4 61.8,64.166 61.8,61.865 ; 61.8,73.9 v1(61.8,74.9) ; 62,68.9 v1(63.3,68.9) ; v1(62.3,60.9) 62.3,61.3 ; v1(64.3,64.9) 64.8,65.4 67.2,65.4 ; 64.3,74.1 v1(64.3,75.4) ; v1(66.3,68.9) 67.3,68.9 ; 69.401,70.4 69.507,70.4 69.8,70.693 v1(69.8,70.9) 69.8,71.5 ; 69.5,64.4 70.8,64.4 v1(71.3,63.9) ; 69.504,66.804 v1(70.395,66.804) ; v1(76.8,69.9) 76.8,71.503 76.801,71.504 ; v1(78.3,65.9) 78.593,65.9 79.593,66.9 80.9,66.9 ; v1(79.3,62.9) 79.8,62.4 80.9,62.4 80.996,62.496 ; v1@79.8,69.892 79.8,68.9 81,68.9 ; v1(80.3,60.4) 80.9,60.4 ; 83.6,65.9 v1(84.8,65.9) ; v1(86.3,61.9) 86.8,61.4 87.407,61.4 87.675,61.668 87.824,61.668 ; v1@86.796,69.888 87.481,69.888 ; v1(86.8,59.9) 87.4,59.9 ; 89,60.4 90.252,60.4 v1@90.256,60.395 ; 89.102,70.398 90.249,70.398 v1(90.25,70.399)
  Bottom Layer w0.15: v1(64.3,64.9) 64.348,64.948 64.762,64.948 65.114,65.3 65.797,65.3 C199.2@65.852,65.245 ; C143.2@66.8,58.452 C143.2@66.808,58.444 ; C139.2@68.753,73.947 v1(68.8,73.9) ; C140.2@69.8,71.323 C140.2@69.915,71.438 ; C146.2@90.712,60.4 C146.2@90.716,60.396 ; U8.2@120.112,44.338 U8.1@120.512,44.338 121.754,44.338 121.816,44.4 121.816,44.441 121.935,44.56 122.14,44.56 122.228,44.648 122.228,49.374 123.65,50.796 123.65,67 v1(124.4,67.75) ; C194.2@123.793,67.755 C194.2@123.798,67.75 ; C147.2@123.802,82.153 C147.2@123.805,82.15
  Bottom Layer w0.3: v1(69.8,70.9) C140.2@69.8,71.323
  Bottom Layer w0.35: v1(33.25,67.75) 33.576,67.751 33.8,67.526 33.8,66.428 33.447,66.075 33.053,66.075 32.662,66.466 32.15,66.466 31.891,66.725 27.68,66.725 27.15,66.195 27.15,49.407 27.355,49.202 32.024,49.202 32.229,48.997 32.229,44.425 33.689,44.425 C30.1@33.708,44.406
  Bottom Layer w0.4: C143.2@66.8,58.452 v1(66.8,58.9) ; v1(90.3,60.4) C146.2@90.712,60.4 ; C194.2@123.798,67.75 v1(124.4,67.75) ; C193.2@123.798,71.35 v1(124.4,71.35) ; C192.2@123.798,74.95 v1(124.4,74.95) ; C191.2@123.798,78.55 v1(124.4,78.55) ; C147.2@123.805,82.15 v1(124.4,82.15)
  other v1: 81.3,66.9 79.8,69.9 81.906,111.815 82.311,111.815 82.716,111.815 83.116,111.815 83.521,111.815 81.906,112.218 82.311,112.218 82.716,112.218 83.116,112.218 83.521,112.218 81.906,112.621 82.311,112.621 82.716,112.621 83.116,112.621 83.521,112.621 81.906,113.024 82.311,113.024 82.716,113.024 83.116,113.024 83.521,113.024 81.906,113.426 82.311,113.426 82.716,113.426 83.116,113.426 83.521,113.426